# Altium PCB PCB1 - 副本 (2).PcbDoc (part 1 of 2) (continued)
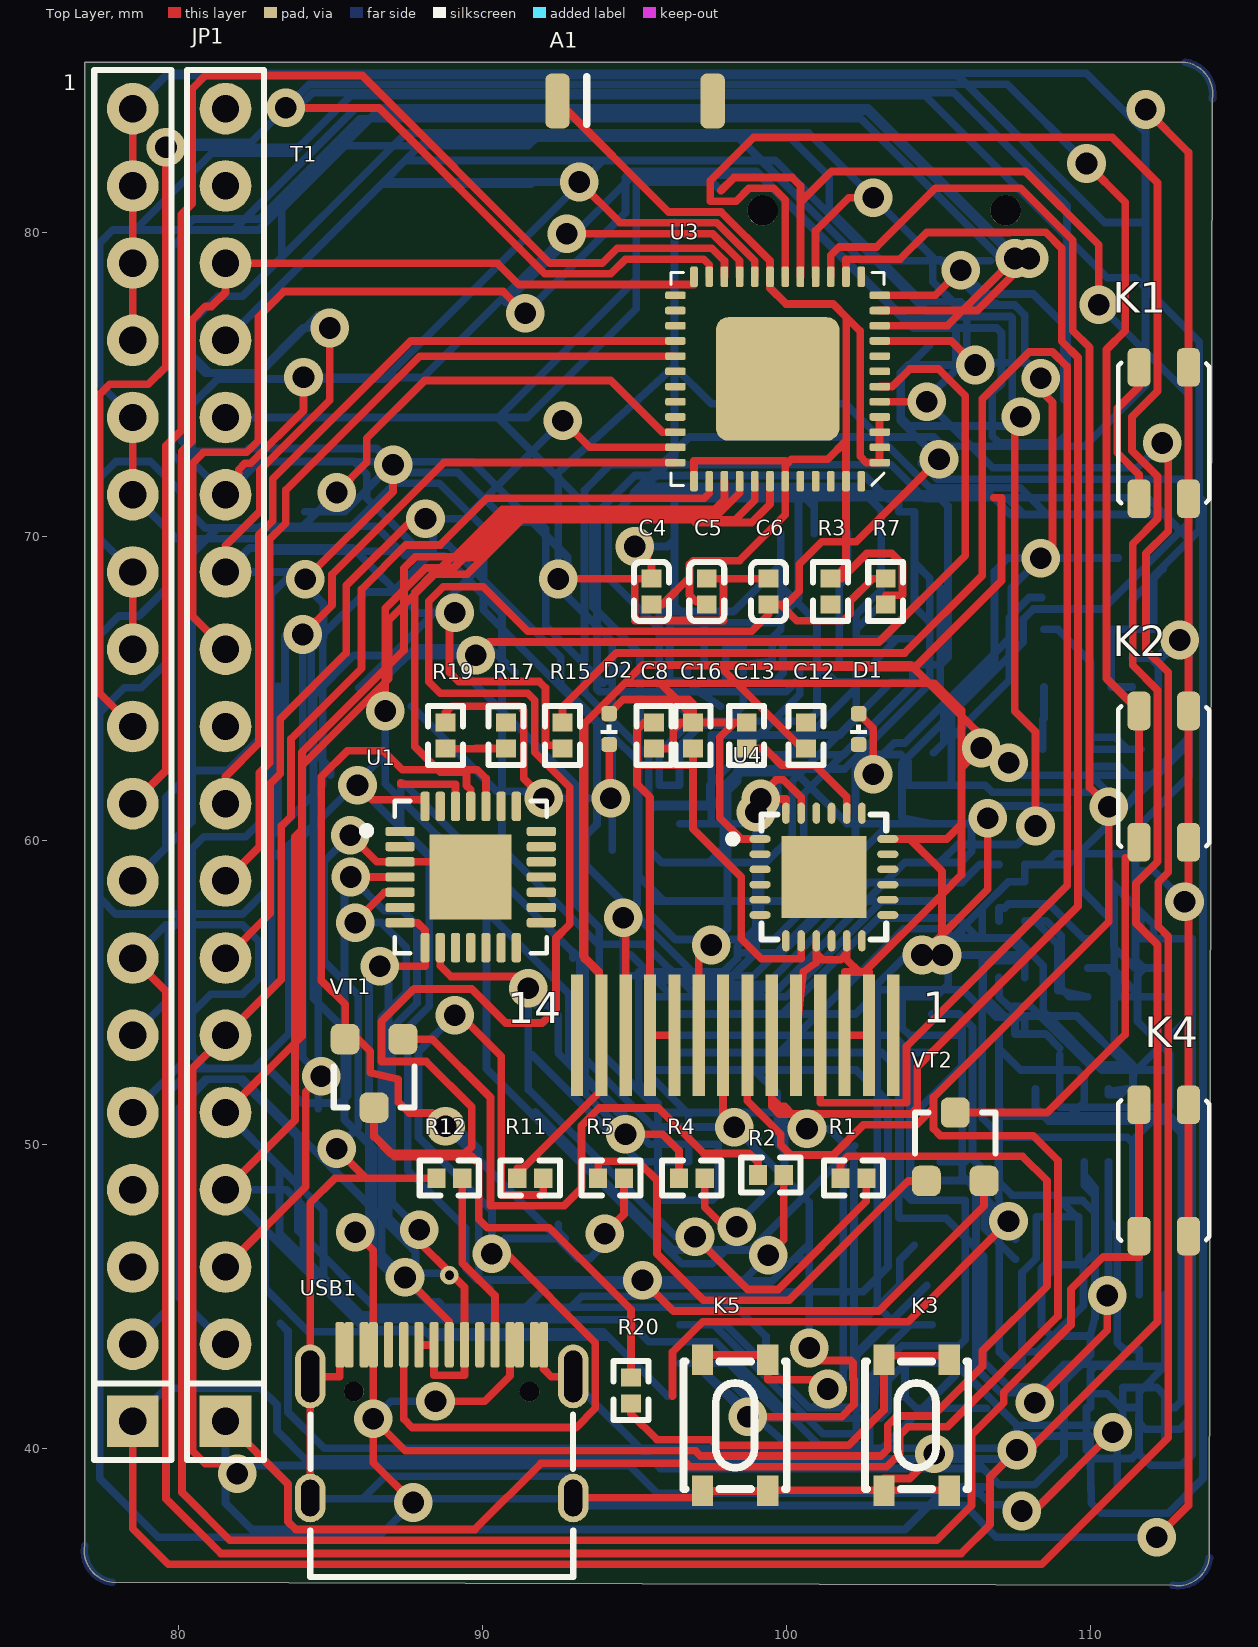
[diagram p0: Top Layer view]
## Footprints (in the part's own frame and the unit in brackets; to place one, negate y for a bottom-side part, rotate by r counter-clockwise, add the part's x,y. Pads: shape width x height; smd on the part's side, far side on the other; paste and mask are expansions set on the pad) (continued)
QFN-48_7X7 [mm]
  rrect50% 0.675x0.25 smd: 1(-3.363,2.75) 2(-3.363,2.25) 3(-3.363,1.75) 4(-3.363,1.25) 5(-3.363,0.75) 6(-3.363,0.25) 7(-3.363,-0.25) 8(-3.363,-0.75) 9(-3.363,-1.25) 10(-3.363,-1.75) 11(-3.363,-2.25) 12(-3.363,-2.75) 25(3.363,-2.75) 26(3.363,-2.25) 27(3.363,-1.75) 28(3.363,-1.25) 29(3.363,-0.75) 30(3.363,-0.25) 31(3.363,0.25) 32(3.363,0.75) 33(3.363,1.25) 34(3.363,1.75) 35(3.363,2.25) 36(3.363,2.75)
  rrect50% 0.25x0.675 smd: 13(-2.75,-3.363) 14(-2.25,-3.363) 15(-1.75,-3.363) 16(-1.25,-3.363) 17(-0.75,-3.363) 18(-0.25,-3.363) 19(0.25,-3.363) 20(0.75,-3.363) 21(1.25,-3.363) 22(1.75,-3.363) 23(2.25,-3.363) 24(2.75,-3.363) 37(2.75,3.363) 38(2.25,3.363) 39(1.75,3.363) 40(1.25,3.363) 41(0.75,3.363) 42(0.25,3.363) 43(-0.25,3.363) 44(-0.75,3.363) 45(-1.25,3.363) 46(-1.75,3.363) 47(-2.25,3.363) 48(-2.75,3.363)
  rrect20% 4.064x4.064 smd: 49(0,0)
  silkscreen extent -3.5,-3.5 3.5,3.5, body extent -3.5,-3.5 3.5,3.5, height 1
RCWL-9183 [mil]
  rect 20x50 smd: 1(-40,-50) 2(-2,-50) 3(35,-50) 4(35,50) 5(-2,50) 6(-40,50)
  silkscreen extent -10,0 5,0
SMT_TRIODE_NPN [mm]
  rrect50% 0.95x1 smd: 1(-0.95,-1.125) 2(0.95,-1.125) 3(0,1.125)
  silkscreen extent -1.33,-0.22 1.33,1.13, body extent -1.45,-1.4 1.45,1.4, height 1.3
SOT23-5 [mm]
  rrect50% 0.889x0.6 smd: 1(-1.5,0.95) 2(-1.5,0) 3(-1.5,-0.95) 4(1.396,-0.95) 5(1.396,0.95)
  silkscreen extent -0.2,-1.55 0.9,1.55, body extent -1.48,-1.45 1.32,1.45, height 1.2
"SW1.27 SMD-2P" [mm] "长：4.14mm，宽：5.4mm，高：2.3mm"
  rect 0.65x1.5 smd: 1(-0.635,-4.15) 2(0.635,-4.15) 3(0.635,4.15) 4(-0.635,4.15)
  silkscreen extent -2.15,-4.31 2.07,2.7, body extent -2.07,-4.35 2.07,4.35, height 2.35
"SW1.27 SMD-4P" [mm] "长：6.68mm，宽：5.4mm，高：2.3mm"
  rect 0.65x1.5 smd: 1(-1.905,-4.15) 2(-0.635,-4.15) 3(0.635,-4.15) 4(1.905,-4.15) 5(1.905,4.15) 6(0.635,4.15) 7(-0.635,4.15) 8(-1.905,4.15)
  silkscreen extent -3.3,-4.35 3.17,2.7, body extent -3.34,-4.35 3.34,4.35, height 2.35
"SW-SMD_4P-L4.2-W3.3-P2.15-LS5.1 - duplicate" [mm]
  rect 1x0.7 smd: 1(-2.15,1.075) 2(2.15,1.075) 3(-2.15,-1.075) 4(2.15,-1.075)
  silkscreen extent -2.1,-1.7 2.1,1.7
TFT144PF254 [mm]
  rect 0.4x4 smd: 1(19.95,8.666) 2(19.15,8.666) 3(18.35,8.666) 4(17.55,8.666) 5(16.75,8.666) 6(15.95,8.666) 7(15.15,8.666) 8(14.35,8.666) 9(13.55,8.666) 10(12.75,8.666) 11(11.95,8.666) 12(11.15,8.666) 13(10.35,8.666) 14(9.55,8.666)
"Type-C-TOP - duplicate1" [mm]
  round 0.65 hole 0.65: 0(-0.98,2.89) 0(-0.98,-2.89)
  oval 1.6x1 hole 0.6 slot 1.2 at 0 deg: 1(2.52,4.325) 2(2.52,-4.325)
  oval 2.1x1 hole 0.6 slot 1.7 at 0 deg: 3(-1.48,-4.325) 4(-1.48,4.325)
  rrect50% 1.5x0.3 smd: A1(-2.52,-3.35) A4(-2.52,-2.55) A5(-2.52,-1.25) A6(-2.52,-0.25) A7(-2.52,0.25) A8(-2.52,1.25) A9(-2.52,2.55) A12(-2.52,3.35) B1(-2.52,3.05) B4(-2.52,2.25) B5(-2.52,1.75) B6(-2.52,0.75) B7(-2.52,-0.75) B8(-2.52,-1.75) B9(-2.52,-2.25) B12(-2.52,-3.05)
  silkscreen extent -0.22,-4.33 5.12,4.32, body extent -2.57,-4.48 5.18,4.48, height 3.26

## Part data
1 JP1: library part "Header 18", "18P接插件", BOM名称=18P接插件, 封装库来自淘宝卖家 ID：黄晶宝石=其他店铺购入均为盗版假冒封装库, 联系卖家，免费查找封装=唯一出售店铺网址https://shop463601444.taobao.com
A1: library part ANT-Rainsun-AP5120
C1 C2 C3 C8 C12 C13 C16: library part 电容-0402, "Capacitor"
C4: library part 电容-0402_2, "Capacitor"
C5 C6: library part 电容-0402_1, "Capacitor"
C7: library part C, "Capacitor", BOM名称=无极性贴片电容, 封装库来自淘宝卖家ID：黄晶宝石=其他店铺购入均为盗版假冒封装库，请立即申请退款, 联系卖家，免费查找封装=唯一出售店铺网址https://shop463601444.taobao.com
C9 C11 C18: library part "0603 10uF (106) 10% 10V", "贴片电容", Package=0603, SuppliersPartNumber=C19702, ComponentLink1Description=供应商链接, ComponentLink1URL=http://www.szlcsc.com/product/details_20411.html, Supplier=LC
C10: library part "0603 1uF (105) 10% 50V", "贴片电容", Package=0603, SuppliersPartNumber=C15849, ComponentLink1Description=供应商链接, ComponentLink1URL=http://www.szlcsc.com/product/details_16531.html, Supplier=LC
C14 C15 C17: library part "0603 100nF (104) 10% 50V", "贴片电容", Package=0603, SuppliersPartNumber=C14663, ComponentLink1Description=供应商链接, ComponentLink1URL=http://www.szlcsc.com/product/details_15331.html, Supplier=LC
D1 D2: library part LED_0402, "LED", Type=0402
K1 K2 K3 K4 K5: library part ButtonTACT, "Button", Type="TACT 4P"
R1 R7: library part 电阻-0402_1, "Resistor"
R2 R5 R17 R19 R20: library part 电阻-0402, "Resistor"
R3: library part 电阻-0402_3, "Resistor"
R4: library part 电阻-0402_2, "Resistor"
R6 R8 R9 R10: library part R, "贴片电阻", BOM名称=贴片电阻, 封装库来自淘宝卖家ID：黄晶宝石=其他店铺购入均为盗版假冒封装库，请立即申请退款, 联系卖家，免费查找封装=唯一出售店铺网址https://shop463601444.taobao.com
R11 R12: library part 电阻-0402_7, "Resistor"
R14 R16 R18: library part 电阻-0402_6, "Resistor"
R15: library part 电阻-0402_9, "Resistor"
SW_IMU1 SW_IMU2 SW_IMU3: "2路编码开关", BOM名称=2路编码开关, 联系卖家，免费查找封装=唯一出售店铺网址https://shop463601444.taobao.com
SW_TF1: "4路编码开关", BOM名称=4路编码开关, 联系卖家，免费查找封装=唯一出售店铺网址https://shop463601444.taobao.com
TF1: "TF卡座", BOM名称=TF卡座, 联系卖家，免费技术支持=唯一出售店铺网址https://shop463601444.taobao.com
U1: "USB转TTL", MFG #1="SILICON LABS", PART DESC="SINGLE-CHIP USB TO UART BRIDGE, QFN28, RoHS.", PART NUMBER=CP2102, RefDes=RefDes, Type=DEV
U2: library part LP2992, "LDO"
U3: library part ESP32-PICO
U4: "六轴传感器"
USB1: library part USB-Type-C-TOP
VT1 VT2: library part SMT_TRIODE_NPN, "Surface mount NPN transistor, package SOT-23"
VT3: library part 65k5, "Surface mount NPN transistor, package SOT-23"

## Via types
v1: diameter 1.27, hole 0.711, Top Layer to Bottom Layer, tented both sides, 85 vias
v2: diameter 0.61, hole 0.305, Top Layer to Bottom Layer, tented both sides, 1 vias

## Nets (pads, with @x,y where several pads share a name; then routed paths per layer and width w, separated by ;. In a path a pad name is that pad's centre, name@x,y a point inside that pad or via, vN(x,y) a via of type N, cw(c..) or ccw(c..) an arc to the next point about the centre after c; other vN are vias at no path point)
3V3: C7.2 R6.2 R8.2 R9.2 R10.2 TF1.4 | length 40.5
  Bottom Layer w0.254: R10.2@104.143,66.635 103.632,66.635 ; 96.139,66.635 94.178,68.596 94.127,68.596 94.127,70.536 95.245,71.654 102.319,71.654 103.1,70.873 TF1.4@103.1,70.1 103.1,68.25 ; 96.139,66.635 C7.2@96.711,66.635 R6.2@98.569,66.635 ; 96.139,66.635 96.139,65.253 97.485,65.253 97.993,65.761 ; 97.993,65.761 97.993,66.319 98.569,66.319 R6.2@98.569,66.635 ; 97.993,65.761 97.993,65.258 99.62,65.258 99.875,65.513 99.875,66.472 100.038,66.635 ; R6.2@98.569,66.635 100.038,66.635 ; 100.038,66.635 R8.2@100.427,66.635 100.787,66.635 100.99,66.432 100.99,65.824 101.6,65.214 102.725,65.214 102.941,65.43 102.941,65.944 103.632,66.635 ; 102.285,66.954 102.285,67.435 103.1,68.25 ; 102.285,66.954 103.1,67.769 103.1,68.25 ; 102.285,66.954 R9.2@102.285,66.635 103.632,66.635
3V3A: A1.1 C4.2 C5.2 R3.1 R7.2 U3.1 U3.2 U3.3 U3.4 U3.19 U3.37 U3.43 U3.47 | length 48.3
  Top Layer w0.254: A1.1@92.456,84.328 96.11,80.674 97.841,80.674 99.445,79.069 U3.19@99.445,78.547 99.445,78.177 99.974,77.648 101.524,77.648 101.956,77.216 ; C4.2@95.545,67.766 95.91,67.766 96.799,68.655 ; U3.37@96.945,71.821 96.945,72.492 99.945,72.492 100.021,72.415 ; C5.2@97.364,67.766 97.364,67.854 97.017,67.854 96.799,68.072 96.799,68.655 ; R3.1@101.432,68.616 101.803,68.616 ; U3.1@103.058,72.434 U3.1@103.048,72.434 ; U3.2@103.058,72.934 U3.2@103.048,72.934 ; U3.3@103.058,73.434 U3.3@103.048,73.434 ; U3.4@103.058,73.934 103.048,73.934 U3.3@103.048,73.434 ; R7.2@103.251,67.766 103.251,68.072 103.803,68.072 103.803,69.088 103.447,69.444 102.631,69.444 101.803,68.616 ; 96.799,68.655 96.799,69.088 96.919,69.208 98.439,69.208 99.945,70.714 U3.43@99.945,71.821 99.945,72.339 100.021,72.415 ; 100.021,72.415 100.148,72.542 101.346,72.542 101.945,73.141 ; 101.803,68.616 101.803,68.895 101.945,69.037 U3.47@101.945,71.821 101.945,73.141 ; 101.945,73.141 101.956,73.152 101.956,77.216 ; 101.956,77.216 102.413,76.759 102.413,72.637 102.616,72.434 U3.1@103.048,72.434 ; U3.1@103.048,72.434 U3.2@103.048,72.934 ; U3.2@103.048,72.934 U3.3@103.048,73.434
CP_Rx: U1.25 U3.41 | length 21.4
  Top Layer w0.254: U1.25@89.6,61.124 89.6,61.671 89.459,61.812 89.459,62.255 88.595,62.255 87.757,63.094 87.757,68.17 88.343,68.756 89.478,68.756 91.27,70.548 98.299,70.548 98.945,71.194 U3.41@98.945,71.821
CP_Tx: R4.2 U3.40 | length 69.4
  Top Layer w0.254: v1(86.792,64.262) 86.792,67.634 88.122,68.964 89.035,68.964 90.859,70.788 97.788,70.788 98.445,71.445 U3.40@98.445,71.821 ; R4.2@97.299,48.895 97.299,47.938 97.942,47.295 v1(98.349,47.295)
  Bottom Layer w0.254: v1(86.792,64.262) 86.792,61.868 90.119,58.541 90.119,52.5 96.542,46.077 97.538,46.077 98.349,46.888 v1(98.349,47.295) ; 89.408,65.481 93.043,61.846 93.043,57.92 93.828,57.136 93.828,53.077 95.85,51.054 99.67,51.054 99.924,50.8 99.924,48.971 v1@98.349,47.396
DTR: R2.2 U1.28 VT2.2 | length 47.8
  Top Layer w0.254: v1(85.877,61.824) 86.36,61.341 88.1,61.341 U1.28@88.1,61.124 ; v1(95.25,45.542) 96.269,44.523 103.022,44.523 106.487,47.988 VT2.2@106.487,48.804 ; v1(99.39,46.355) 99.9,46.865 R2.2@99.9,49
  Bottom Layer w0.254: v1(85.877,61.824) 88.236,59.465 88.236,54.556 87.528,53.848 87.528,49.149 89.433,47.244 89.433,45.923 89.814,45.542 v1(95.25,45.542) 98.577,45.542 v1(99.39,46.355)
EN: C6.2 R7.1 R20.2 U3.9 VT1.3 | length 83.4
  Top Layer w0.254: VT1.3@86.421,51.217 86.421,50.282 ; R20.2@94.869,42.335 94.869,44.577 92.178,47.268 90.146,47.268 89.865,47.549 89.865,49.378 89.637,49.606 87.097,49.606 86.995,49.708 ; U3.9@103.058,76.434 105.405,76.434 v1(106.197,75.641) ; R7.1@103.251,68.616 102.819,68.616 102.083,67.879 102.083,67.462 101.854,67.234 100.329,67.234 99.797,67.766 ; v1(105.004,72.542) 102.286,69.825 101.143,69.825 100.406,69.088 100.406,68.198 99.974,67.766 99.797,67.766 ; 86.421,50.282 86.421,50.256 86.97,49.708 86.995,49.708 ; 86.421,50.282 86.995,49.708 ; 86.995,49.708 89.408,49.708 89.632,49.932 89.632,51.235 88.136,52.73 86.665,52.73 86.665,54.051 87.732,55.119 89.636,55.119 90.754,54 91.948,54 92.405,54.458 92.405,56.794 92.862,57.252 92.862,61.747 91.703,62.907 91.703,64.618 91.474,64.846 88.595,64.846 88.216,65.226 88.216,67.869 88.697,68.35 90.016,68.35 91.481,66.885 98.838,66.885 99.398,67.445 C6.2@99.398,67.766 99.797,67.766
  Bottom Layer w0.254: v1(105.004,72.542) 103.734,73.812 103.734,75.387 103.988,75.641 v1(106.197,75.641)
GND: 1.15 1.16 1.17 1.18 C1.1 C2.1 C3.1 C4.1 C5.1 C6.1 C7.1 C8.2 C9.2 C11.1 C12.2 C13.1 C14.2 C15.1 C16.1 C17.2 C18.2 D2.2 K1.1 K1.3 K2.1 K2.3 K3.1 K3.3 K4.1 K4.3 K5.1 K5.3 M1.4 M1.10 R11.2 R12.2 R13.2 T1.2 T1.3 T1.5 T1.13 TF1.6 TF1.10 U1.3 U1.29 U2.2 U4.1 U4.9 U4.11 U4.18 USB1.1 USB1.2 USB1.3 USB1.4 USB1.A1 USB1.A12 USB1.B1 USB1.B12 VT3.1 | length 615
  Top Layer w0.254: 1.15@78.486,76.454 1.16@78.486,78.994 1.17@78.486,81.534 1.18@78.486,84.074 ; USB1.2@84.321,38.374 USB1.3@84.321,42.367 ; v1(85.192,49.86) 86.157,48.895 ; USB1.B12@85.596,43.414 USB1.A1@85.296,43.414 85.296,42.367 USB1.3@84.321,42.367 ; v1(85.64,60.173) 86.512,59.3 U1.3@87.276,59.3 89.6,59.3 U1.29@89.6,58.8 ; R12.2@88.475,48.895 86.157,48.895 ; R11.2@91.133,48.895 91.133,49.225 91.332,49.225 93.828,51.721 T1.13@93.828,52.922 ; USB1.B1@91.696,43.414 USB1.A12@91.996,43.414 91.996,42.624 92.253,42.367 92.971,42.367 USB1.4@92.971,42.374 ; v1(92.481,68.605) 92.492,68.616 94.993,68.616 ; USB1.1@92.971,38.374 92.971,38.379 97.223,38.379 K5.1@97.223,38.608 ; T1.13@93.9,53.6 T1.13@93.828,52.922 ; D2.2@94.155,64.175 94.622,64.643 96.368,64.643 ; v1(94.996,69.672) 95.545,69.123 C4.1@95.545,68.616 94.993,68.616 ; C8.2@95.631,63.031 96.266,63.031 96.266,63.627 96.52,63.881 C16.1@96.912,63.881 ; K5.1@97.223,38.617 K5.1@97.223,38.608 ; C5.1@97.364,68.616 97.917,68.616 ; C13.1@98.679,63.881 98.276,63.881 ; U4.1@99.119,60.051 98.496,60.051 97.794,60.753 97.794,63.398 98.276,63.881 ; C6.1@99.398,68.616 97.917,68.616 ; T1.5@100.3,53.6 100.537,55.677 100.969,55.987 100.969,56.286 ; C12.2@100.628,63.031 100.494,63.031 98.349,65.176 ; U4.9@100.969,56.701 100.969,56.286 ; U4.11@101.969,56.701 101.969,56.286 ; K3.1@103.192,38.617 K3.1@103.192,38.633 ; U4.18@103.319,60.051 103.708,60.051 104.038,60.051 ; v1(104.851,39.827) 104.038,39.014 103.192,39.014 K3.1@103.192,38.633 ; v1(105.105,56.236) 105.105,58.24 ; K3.3@105.342,38.617 105.342,38.633 K3.1@103.192,38.633 ; v1(106.399,63.044) 105.742,62.387 ; 106.807,71.272 107.059,71.272 107.059,68.544 104.183,65.667 ; v1(107.295,62.555) 106.602,63.248 105.742,64.108 ; v1(111.8,84.049) 113.208,82.641 K1.1@113.208,75.565 K1.3@113.208,71.247 113.208,67.742 v1@113.208,66.319 ; v1(112.166,37.086) 113.208,38.127 K4.3@113.208,46.99 K4.1@113.208,51.308 v1@113.208,58.115 ; v1(112.928,66.599) v1@113.208,66.319 ; v1(113.081,57.988) v1@113.208,58.115 ; USB1.3@84.321,42.367 USB1.3@84.321,42.374 84.321,48.081 85.135,48.895 86.157,48.895 ; 93.347,56.158 93.347,63.857 ; 93.347,56.158 93.347,56.106 93.828,55.625 ; 93.347,56.158 93.828,55.677 93.828,55.625 ; 93.347,56.158 93.293,56.211 93.293,63.804 93.347,63.857 ; 93.347,63.857 93.91,64.42 94.666,65.176 ; T1.13@93.828,52.922 93.828,53.6 93.828,55.625 ; 94.666,65.176 95.834,65.176 ; 94.666,65.176 95.265,65.775 ; 94.993,68.616 94.993,67.239 97.917,67.239 97.917,68.616 ; 95.265,65.775 97.78,65.745 ; 95.265,65.775 97.75,65.775 ; 95.834,65.176 98.349,65.176 ; 95.834,65.176 96.368,64.643 ; 96.368,64.643 C16.1@96.912,64.098 ; 96.368,64.643 96.774,64.643 96.912,64.505 C16.1@96.912,64.098 ; C16.1@96.912,63.881 C16.1@96.912,64.098 ; C16.1@96.912,63.881 C16.1@97.13,63.881 ; C16.1@96.912,64.098 97.021,63.99 C16.1@97.13,63.881 ; C16.1@97.13,63.881 98.276,63.881 ; K5.1@97.223,38.608 99.373,38.608 K5.3@99.373,38.617 99.373,38.633 K3.1@103.192,38.633 ; 97.75,65.775 97.78,65.745 ; 97.75,65.775 104.075,65.775 104.183,65.667 ; 97.78,65.745 98.349,65.176 ; 97.78,65.745 104.183,65.667 ; 98.349,65.176 104.674,65.176 ; 100.969,56.286 101.172,56.083 101.766,56.083 101.969,56.286 ; 101.969,56.286 101.969,56.083 102.375,55.677 ; 102.375,55.677 102.542,55.677 ; 102.375,55.677 101.9,55.677 T1.3@101.9,53.6 101.9,53.594 102.7,53.594 T1.2@102.7,53.6 102.7,55.677 102.542,55.677 ; 102.542,55.677 105.105,58.24 ; 104.038,60.051 105.258,60.051 105.742,60.535 ; 104.038,60.051 105.105,58.984 105.105,58.24 ; 104.183,65.667 104.674,65.176 ; 104.674,65.176 105.742,64.108 ; 104.674,65.176 104.851,65.176 105.742,64.286 105.742,64.108 ; 105.105,58.24 105.742,58.876 105.742,60.535 ; 105.742,60.535 105.742,62.387 ; 105.742,62.387 105.742,63.044 105.742,64.108 ; v1@113.208,58.115 K2.3@113.208,59.944 K2.1@113.208,64.262 v1@113.208,66.319
  Bottom Layer w0.254: 1.18@78.486,84.074 79.578,85.166 ; USB1.2@84.321,38.374 84.321,38.354 86.051,38.354 ; v1(85.192,49.86) 85.9,50.568 85.9,54.908 84.785,56.023 84.785,59.318 v1(85.64,60.173) ; 90.729,46.914 92.71,46.914 92.481,47.142 92.481,47.371 ; v1(92.481,68.605) 92.481,72.111 96.3,75.59 ; USB1.4@92.971,42.374 92.971,42.208 95.831,39.348 106.452,39.348 ; 94.971,70.727 TF1.10@96.3,70.727 ; 94.971,71.45 96.3,72.78 ; v1(94.996,69.672) 96.071,69.672 96.3,69.901 ; TF1.10@96.3,80.327 96.3,75.59 ; 97.815,64.414 97.13,64.872 96.711,65.29 C7.1@96.711,65.761 ; TF1.6@100.9,70.1 TF1.6@100.9,70.971 ; v1(104.851,39.827) 104.851,39.776 106.023,39.776 106.452,39.348 ; v1(105.105,56.236) 107.576,56.236 107.825,55.987 ; v1(106.399,63.044) 107.294,62.149 v1@107.701,62.149 ; 106.676,71.404 101.184,71.404 ; v1(107.295,62.555) v1@107.701,62.149 ; C15.1@107.825,55.498 107.825,55.827 ; 108.977,52.959 M1.10@108.977,51.834 108.977,51.232 112.598,51.232 112.598,52.984 111.531,54.051 111.531,55.578 111.75,55.797 ; 108.977,53.171 108.509,53.64 C18.2@107.825,53.64 ; M1.4@109.777,49.434 109.777,49.022 ; U2.2@111.357,66.004 111.963,66.004 ; v1(111.8,84.049) 111.8,83.277 ; v1(112.166,37.086) 106.891,37.086 105.847,38.13 92.971,38.13 USB1.1@92.971,38.354 ; R13.2@112.436,55.807 111.76,55.807 ; v1(112.928,66.599) 112.334,66.004 112.166,66.004 ; v1(113.081,57.988) 112.062,59.007 C11.1@111.464,59.007 ; 79.578,85.166 79.648,85.236 109.841,85.236 111.8,83.277 ; 79.578,85.166 105.62,85.166 110.459,80.327 TF1.10@111.8,80.327 ; 86.051,38.354 USB1.1@92.971,38.354 ; 86.051,38.354 86.789,39.092 92.971,39.092 USB1.1@92.971,38.374 USB1.1@92.971,38.354 ; 95.102,71.404 101.184,71.404 ; 95.102,71.404 94.971,71.272 100.381,71.272 ; 95.102,71.404 96.3,72.602 96.3,72.78 ; 96.3,69.901 TF1.10@96.3,70.727 ; 96.3,69.901 96.3,67.742 96.859,67.183 97.282,67.183 97.282,67.162 ; TF1.10@96.3,70.727 96.3,71.247 100.381,71.247 ; 96.3,72.78 96.3,75.59 ; 96.3,72.78 96.798,73.277 103.021,73.277 ; 96.3,75.59 97.519,74.371 101.927,74.371 103.021,73.277 ; C7.1@96.711,65.761 97.282,65.761 97.282,67.162 ; C7.1@96.711,65.761 C7.1@96.711,65.785 96.159,65.785 96.159,67.162 97.282,67.162 ; 97.282,67.162 99.593,67.162 100.381,67.949 100.381,71.247 ; 100.381,71.247 100.381,71.272 ; 100.381,71.247 100.624,71.247 TF1.6@100.9,70.971 ; 100.381,71.272 100.9,71.272 ; TF1.6@100.9,70.971 100.9,71.272 ; 100.9,71.272 101.052,71.272 ; 101.052,71.272 106.807,71.272 ; 101.052,71.272 101.184,71.404 ; 103.021,73.277 104.696,71.603 107.671,71.603 108.001,71.272 ; 103.021,73.277 104.827,73.277 105.134,72.971 109.799,72.971 111.8,74.972 TF1.10@111.8,80.327 ; 105.753,56.794 106.426,56.794 ; 105.753,56.794 105.753,57.112 ; 105.753,56.794 105.435,56.794 105.753,57.112 ; 105.753,57.112 106.426,57.785 ; 106.426,56.794 107.29,56.794 107.825,56.259 107.825,55.987 ; 106.426,56.794 106.426,57.785 ; 106.426,57.785 107.29,58.649 107.825,58.649 C9.2@107.825,59.214 108.463,59.214 ; 106.452,39.348 106.989,38.81 108.149,38.81 109.118,39.78 109.118,42.21 109.987,43.078 VT3.1@109.987,43.701 ; 106.578,56.058 107.594,56.058 107.825,55.827 ; 106.578,56.058 106.426,56.058 106.426,54.649 106.883,54.192 107.502,54.192 ; 106.578,56.058 106.68,56.159 107.546,56.159 107.825,55.88 ; 106.578,56.058 106.448,55.927 106.448,54.94 107.185,54.204 107.502,54.204 107.502,54.192 ; 106.807,71.272 107.239,71.272 ; 106.807,71.272 107.352,70.727 107.784,70.727 ; 107.239,71.272 108.001,71.272 ; 107.239,71.272 107.784,70.727 ; 107.502,54.192 107.825,54.192 C18.2@107.825,53.64 ; 107.502,54.192 107.502,53.64 C18.2@107.825,53.64 ; v1@107.701,62.149 C3.1@108.42,62.149 C2.1@109.998,62.149 ; 107.784,70.727 108.546,70.727 ; 107.825,55.827 107.825,55.88 ; 107.825,55.88 107.825,55.987 ; 108.001,71.272 TF1.10@111.455,71.272 ; 108.001,71.272 108.546,70.727 ; C14.2@108.375,45.51 108.753,45.888 ; C14.2@108.375,45.51 108.375,45.923 108.753,46.301 ; C14.2@108.375,45.51 C14.2@108.375,45.2 108.375,44.038 108.712,43.701 VT3.1@109.987,43.701 ; 108.463,59.214 109.252,59.214 109.601,59.563 ; 108.463,59.214 108.812,59.563 109.601,59.563 ; 108.546,70.727 TF1.10@111,70.727 112.001,70.727 TF1.10@111.455,71.272 ; 108.753,45.888 108.915,46.05 109.728,46.05 110.134,46.457 ; 108.753,45.888 108.753,46.301 ; 108.753,46.301 C17.2@108.753,47.069 108.977,48.158 109.728,48.158 110.134,47.752 ; 109.601,59.563 109.684,59.563 ; 109.601,59.563 109.684,59.646 ; 109.684,59.563 111.235,59.563 111.464,59.334 ; 109.684,59.563 109.684,59.646 ; 109.684,59.563 109.684,58.376 110.758,57.302 110.758,56.49 111.441,55.807 111.741,55.807 ; 109.684,59.646 110.304,60.266 ; 109.777,49.022 109.777,48.668 110.134,48.311 ; 109.777,49.022 110.134,48.565 110.134,48.311 ; VT3.1@109.987,43.701 110.134,44.293 110.134,46.457 ; C2.1@109.998,62.149 111.228,62.149 ; C2.1@109.998,62.149 109.998,62.433 110.944,62.433 111.228,62.149 ; C2.1@109.998,62.149 111.066,61.081 ; 110.134,46.457 110.134,47.752 ; 110.134,47.752 110.134,48.311 ; 110.304,60.266 111.066,61.081 ; 110.304,60.266 111.093,61.055 ; 111.066,61.081 111.438,61.478 ; 111.066,61.081 111.093,61.055 ; 111.093,61.055 113.233,63.195 ; 111.093,61.055 111.438,61.478 ; 111.228,62.149 C1.1@111.648,62.149 ; 111.438,61.478 111.85,61.985 111.984,62.149 ; 111.438,61.478 111.87,61.941 112.065,62.149 ; TF1.10@111.455,71.272 111.862,71.272 113.232,69.902 ; C11.1@111.464,59.007 111.464,59.334 ; C11.1@111.464,59.007 111.464,56.083 111.741,55.807 ; 111.464,59.334 111.464,60.359 113.233,62.128 113.233,63.195 ; C1.1@111.648,62.149 111.984,62.149 ; C1.1@111.648,62.149 111.816,61.981 111.984,62.149 ; 111.741,55.807 111.75,55.797 ; 111.741,55.807 111.76,55.807 ; 111.75,55.797 111.76,55.807 ; TF1.10@111.8,80.327 111.8,83.277 ; 111.963,66.004 112.166,66.004 ; 111.963,66.004 112.217,65.75 112.217,62.382 ; 111.984,62.149 112.217,62.382 ; 111.984,62.149 112.065,62.149 ; 112.065,62.149 113.232,63.397 ; 112.065,62.149 113.232,63.397 ; 112.166,66.004 112.844,66.683 v1@113.232,67.071 ; 112.217,62.382 113.232,63.397 ; 113.232,63.397 v1@113.232,67.071 ; v1@113.232,67.071 113.232,69.902 ; 113.232,69.902 113.233,66.599 113.233,63.195 ; 113.232,69.902 113.233,69.901 113.233,63.195
GPIO0: 1.10 K2.2 K2.4 U3.23 VT2.3 | length 147.3
  Top Layer w0.254: 1.10@78.486,63.754 77.394,64.846 77.394,74.676 77.724,75.006 78.994,75.006 79.578,75.59 v1(79.578,82.804) ; v1(83.515,84.099) 86.583,84.099 92.04,78.642 94.211,78.642 94.691,79.122 97.266,79.122 97.445,78.943 U3.23@97.445,78.547 ; VT2.3@105.537,51.054 108.56,51.054 111.128,53.623 111.128,59.434 111.582,59.434 K2.4@111.582,59.944 111.582,62.252 K2.2@111.582,64.262 110.512,65.332 110.512,76.154 111.134,76.775 111.134,80.992 v1(109.855,82.271)
  Bottom Layer w0.254: v1(79.578,82.804) 79.739,82.965 82.381,82.965 v1(83.515,84.099) 84.298,84.882 107.244,84.882 v1(109.855,82.271) ; v1@79.807,82.804 83.947,82.804 85.75,84.607 ; v1@83.896,84.099 84.404,84.607 85.75,84.607 ; 109.118,74.498 109.118,76.405 ; 109.217,76.503 109.217,80.874 105.483,84.607 85.75,84.607
GPIO2: 1.9 K1.2 K1.4 U3.22 | length 50.4
  Top Layer w0.254: 1.9@78.486,61.214 79.578,62.306 79.578,72.988 80.086,73.496 80.086,80.594 80.442,80.95 80.442,84.734 80.874,85.166 86.033,85.166 92.204,78.996 93.928,78.996 94.417,79.485 97.528,79.485 97.945,79.068 U3.22@97.945,78.547 ; K1.4@111.582,71.247 111.582,72.038 110.866,72.753 110.866,74.211 111.582,74.927 K1.2@111.582,75.565
GPIO4: JP1.16 K4.2 K4.4 U3.24 | length 100.4
  Top Layer w0.254: U3.24@96.945,78.547 96.945,78.288 91.186,78.288 90.48,78.994 JP1.16@81.534,78.994 81.534,78.029 81.075,77.57 80.874,77.57 80.442,77.138 80.442,73.144 80.103,72.805 80.103,38.557 81.674,36.987 104.932,36.987 106.07,38.125 106.07,40.44 107.134,41.504 107.134,41.856 109.342,44.064 109.342,45.242 110.404,46.304 111.582,46.304 K4.4@111.582,46.99 K4.2@111.582,51.308
GPIO5: 1.8 U3.34 | length 40.8
  Top Layer w0.254: v1(85.192,71.45) 86.182,72.441 86.182,73.228 88.087,75.133 94.209,75.133 95.908,73.434 U3.34@96.332,73.434
  Bottom Layer w0.254: 1.8@78.486,58.674 79.578,59.766 ; 83.896,67.132 83.49,66.726 83.49,64.186 81.61,62.306 80.467,62.306 80.442,62.281 ; v1(85.192,71.45) 84.023,70.282 81.28,70.282 80.442,69.444 80.442,62.281 ; 79.578,59.766 80.442,60.63 80.442,62.281 ; 79.578,59.766 79.578,61.417 80.442,62.281
GPIO9: JP1.9 U3.28 | length 26.5
  Top Layer w0.254: JP1.9@81.534,61.214 81.534,62.103 82.626,63.195 82.626,70.053 83.091,70.518 83.091,71.901 87.624,76.434 U3.28@96.332,76.434
GPIO10: JP1.8 U3.29 | length 35.4
  Top Layer w0.254: JP1.8@81.534,58.674 82.652,59.792 82.652,62.23 82.982,62.56 82.982,69.908 83.517,70.443 83.517,71.528 87.923,75.934 U3.29@96.332,75.934
  Bottom Layer w0.254: JP1.8@81.534,58.674 83.261,60.401 83.261,65.075
GPIO12: 1.7 SW_IMU1.1 SW_IMU1.4 T1.8 U3.18 | length 201.8
  Top Layer w0.254: 1.7@78.486,56.134 79.578,55.042 79.578,38.354 81.382,36.551 105.74,36.551 106.68,37.49 106.68,39.065 v1(107.569,39.954) 107.975,39.954 112.192,44.171 112.192,56.567 111.482,57.277 111.482,58.598 112.192,59.308 112.192,64.948 111.374,65.765 111.374,69.766 112.192,70.583 112.192,71.984 111.354,72.822 111.354,73.939 112.192,74.778 112.192,81.636 110.695,83.133 98.913,83.133 97.48,81.699 97.48,81.028 98.329,81.028 98.755,81.454 99.568,81.454 99.945,81.077 U3.18@99.945,78.547 ; T1.8@97.9,53.6 97.9,50.935 v1(98.264,50.571) ; v1(98.712,41.046) 101.803,41.046 102.21,41.453 102.21,42.266 102.176,42.299 102.176,42.823 102.098,42.901 100.99,42.901 100.736,43.155 v1(100.736,43.307)
  Bottom Layer w0.254: 1.7@78.486,56.134 79.578,57.226 82.093,57.226 82.626,56.693 82.626,55.474 82.093,54.94 81.051,54.94 80.442,54.331 80.442,52.934 80.874,52.502 82.474,52.502 83.617,53.645 83.617,59.665 86.792,62.84 86.792,65.354 87.782,66.345 90.246,66.345 91.059,65.532 ; SW_IMU1.1@96.474,42.807 SW_IMU1.1@96.952,42.807 ; v1(98.264,50.571) 100.736,48.099 v1(100.736,43.307) ; 98.285,42.075 98.277,42.066 99.344,40.999 99.904,40.999 ; v1(98.712,41.046) SW_IMU1.1@96.952,42.807 ; 106.578,41.326 104.451,41.326 ; v1(107.569,39.954) 107.569,40.767 105.529,42.807 ; SW_IMU1.1@96.952,42.807 98.824,41.174 100.462,39.745 102.87,39.745 104.451,41.326 ; SW_IMU1.1@96.952,42.807 98.096,42.807 99.904,40.999 ; 99.904,40.999 103.079,40.999 103.33,41.25 103.33,42.25 103.888,42.807 ; 103.888,42.807 103.888,41.692 104.254,41.326 104.451,41.326 ; 103.888,42.807 SW_IMU1.4@104.774,42.807 105.529,42.807 ; 104.451,41.326 105.529,42.404 105.529,42.807
GPIO13: JP1.15 K5.2 K5.4 SW_TF1.7 U3.20 | length 141.6
  Top Layer w0.254: v1(93.172,81.661) 94.513,80.32 97.694,80.32 98.945,79.069 U3.20@98.945,78.547 ; K5.2@97.223,42.917 97.223,43.078 99.373,43.078 K5.4@99.373,42.917 99.373,42.266 101.041,42.266 v1(101.346,41.961) ; v1(107.696,73.939) 107.493,73.736 107.493,64.262 108.179,63.576 v1(108.179,60.477)
  Bottom Layer w0.254: JP1.15@81.534,76.454 86.665,81.585 ; 91.592,81.585 86.665,81.585 ; v1(93.172,81.661) 86.741,81.661 ; 100.736,44.298 100.94,44.298 ; 100.736,44.704 100.736,44.501 100.94,44.298 ; v1(101.346,41.961) 101.854,42.469 101.854,44.298 ; 104.191,46.685 103.708,46.203 103.708,45.393 102.613,44.298 101.854,44.298 ; v1(107.696,73.939) 107.417,74.219 107.417,75.717 ; 107.925,75.717 107.417,75.717 ; v1(108.179,60.477) 107.569,59.868 106.076,59.868 ; 109.229,61.089 108.416,61.089 108.365,61.139 106.534,61.139 106.076,60.682 106.076,59.868 ; 86.665,81.585 86.741,81.661 ; 86.741,81.661 87.452,82.372 ; 87.452,82.372 99.619,82.372 104.75,77.241 105.916,77.241 ; 87.452,82.372 88.186,83.106 100.13,83.106 101.397,81.839 101.397,80.768 104.445,77.72 105.712,77.72 105.916,77.516 105.916,77.241 ; 100.94,44.298 101.854,44.298 ; 101.854,44.298 101.854,49.312 101.518,49.649 100.063,49.649 99.685,50.027 99.685,51.699 98.933,52.451 95.479,52.451 95.479,54.864 99.466,54.864 103.882,59.28 SW_TF1.7@104.774,59.28 SW_TF1.7@105.029,59.28 ; SW_TF1.7@105.029,59.28 105.711,59.28 106.076,59.645 106.076,59.868 ; SW_TF1.7@105.029,59.28 105.617,59.868 106.076,59.868 ; 105.916,77.241 105.916,76.151 106.35,75.717 107.417,75.717 ; 105.916,77.241 107.366,77.241 107.417,77.191 107.417,75.717